# Altium PCB CMTestBoard.PcbDoc (part 1 of 2) (continued)
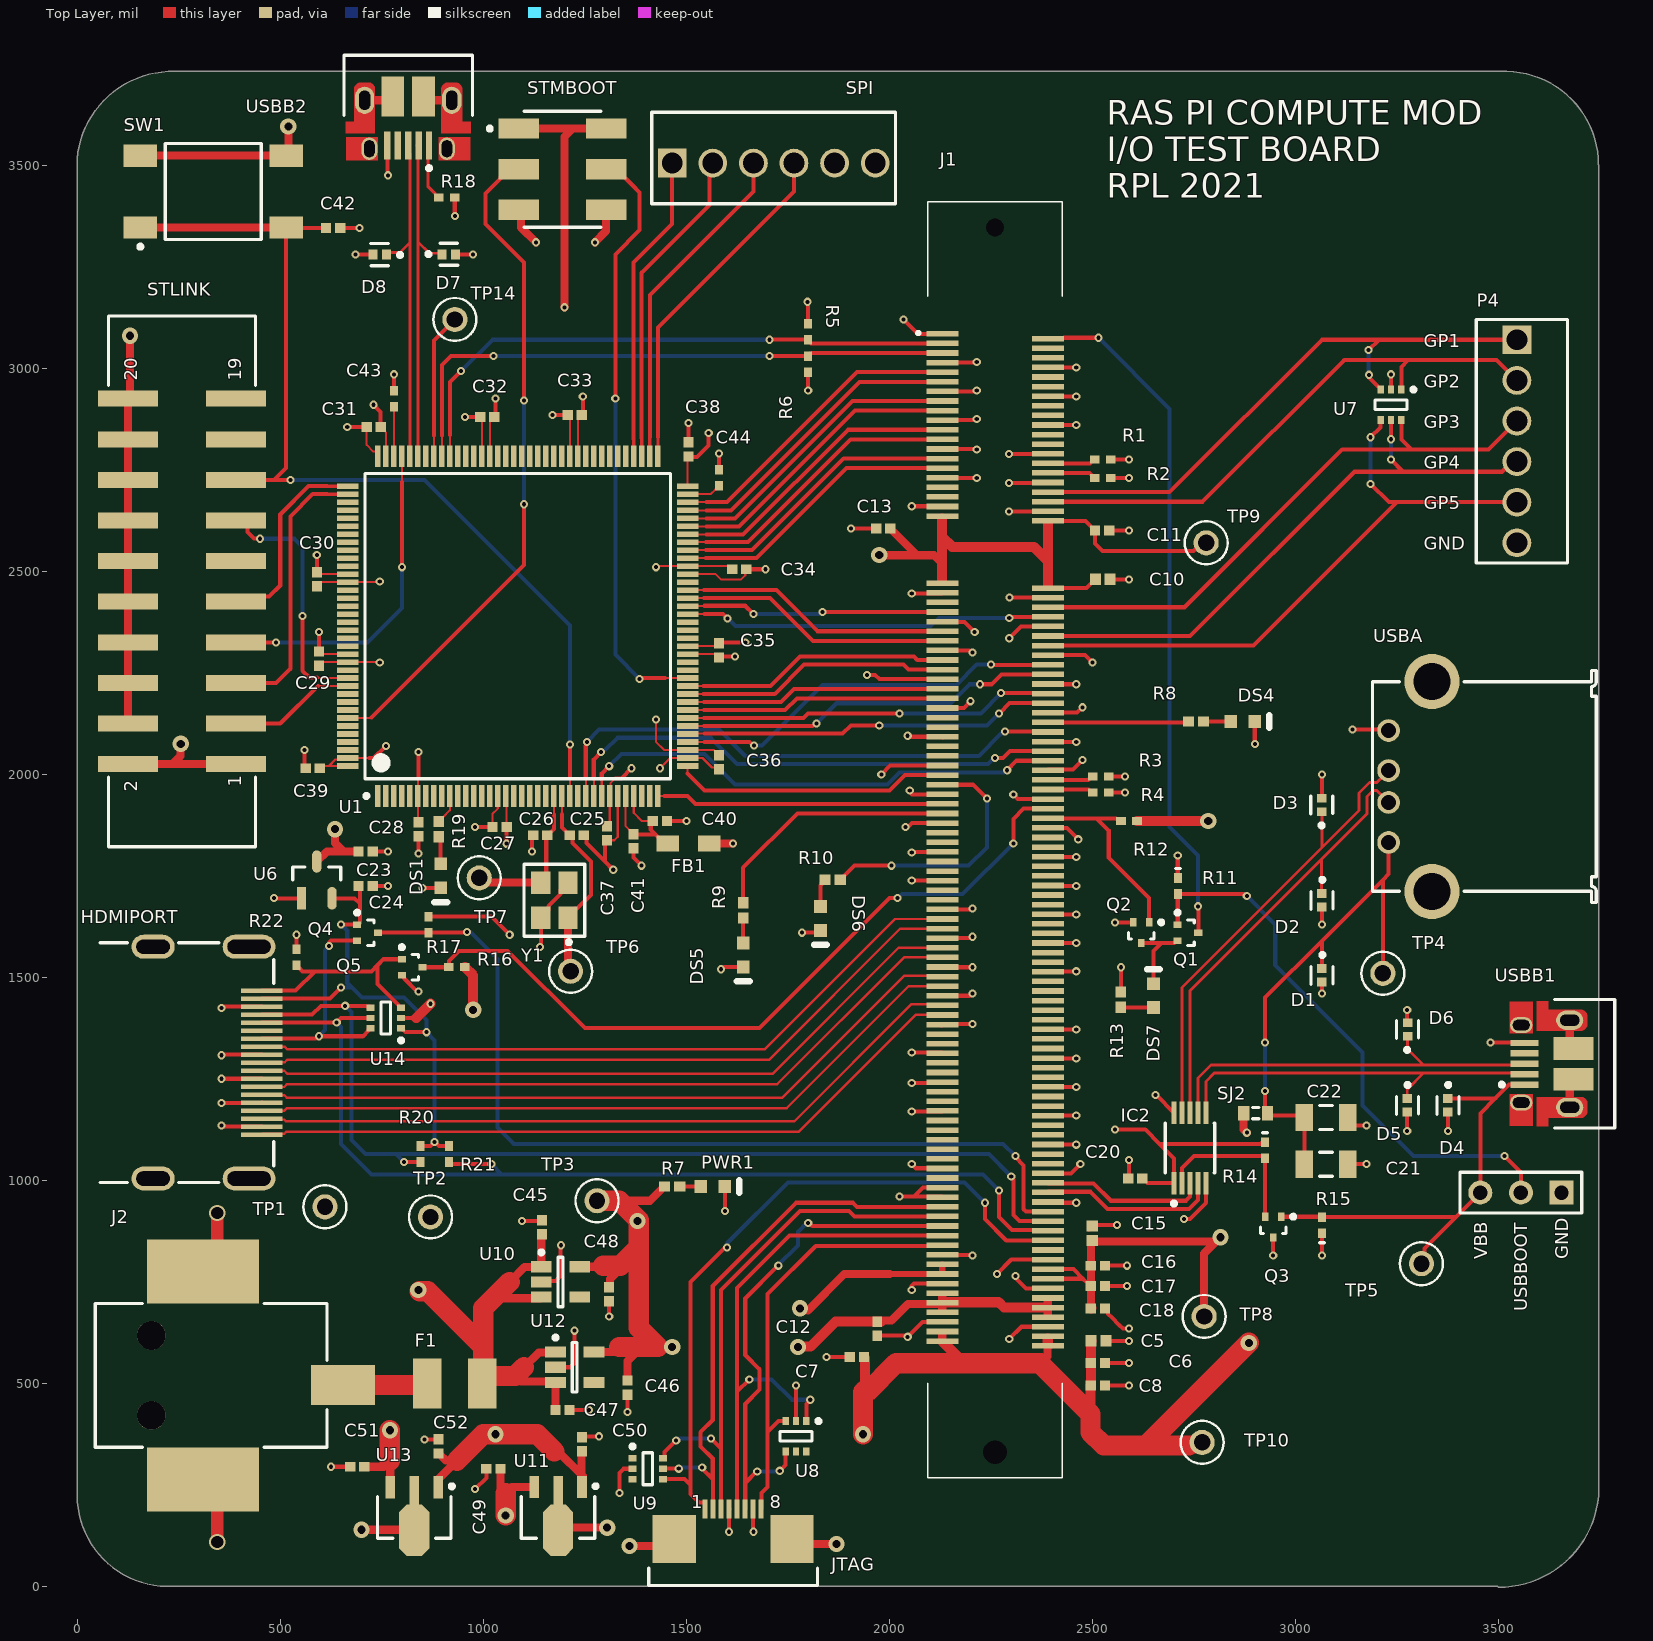
[diagram p0: Top Layer view]
## Part data (continued)
DS7: library part CMP-1744-00003-1, "0603 LIGHT EMITTING DIODES (LED) ROHS", Case Code (Imperial)=0603, Case Code (Metric)=1608, Max Operating Temperature="155 degC", Min Operating Temperature="-55 degC", Package Quantity=5000, Power Rating="100 mW", Resistance="390 Ohm", Tolerance=1%, Voltage Rating="50 V", Case\Package=0603, ComponentLink1Description="Manufacturer URL", ComponentLink1URL=http://www.avagotech.com/, ComponentLink2Description=Datasheet, ComponentLink2URL=http://docs.avagotech.com/docs/AV02-0551EN, ComponentLink3Description="Package Specification", ComponentLink3URL=http://www.fairchildsemi.com/dwg/MA/MA03D.pdf, DatasheetVersion=Mar-12, Height="0.45 mm", Length="1.6 mm", Mount="Surface Mount", PackageDescription="2-Pin Surface Mount Device, Body 1.6 x 0.8 mm, Height 0.9 mm", PackageReference=HSMX-C190, Packaging="Tape and Reel", Pins=2, REACH SVHC="No SVHC", RoHSCompliant=true, Voltage Rating (DC)="50 V", Width="0.8 mm"
F1: library part CMP-0257-00001-1, "Resettable PTC, 1812, 3 A Ihold, 5 A Itrip, 8V max", PartNumber=1812L150ZR, ComponentLink1Description="Manufacturer URL", ComponentLink1URL=http://www.littelfuse.com/, ComponentLink2Description=Datasheet, ComponentLink2URL=http://www.littelfuse.com/products/resettable-ptcs/surface-mount/1812l/~/media/Electronics_Technical/Datasheets/Resettable_PTCs/Littelfuse_PTC_1812L_Datasheet.pdf, DatasheetVersion=6/2012, Ihold="1.5 A", Imax="100 A", Itrip="3 A", PackageDescription="2-Pin SMT Fuse, 4.55 x 3.24 mm Body", PackageReference=FUSE1812-71, PackageVersion=6/2012, Vmax="8 Vdc"
FB1: library part CMP-0686-00665-2, "Chip Ferrite Bead for General Signal lines, 1000 Ohm, 500 mA, -55 to 125 degC, 2 x 1.25 x 1.05 mm SMD, Tape and Reel", DC Resistance="0.28 Ohm Max.", Manufacturer=Murata, Operating Temperature Range="-55 to 125 degC", Rated Current="500 mA", ComponentLink1Description="Manufacturer URL", ComponentLink1URL=http://www.murata.com/, ComponentLink2Description=Datasheet, ComponentLink2URL=http://www.murata.com/products/catalog/pdf/c31e.pdf, ComponentLink3Description="Package Specification", ComponentLink3URL=http://www.murata.com/products/catalog/pdf/c31e.pdf, DatasheetVersion=08/2013, Impedance (at 100 MHz)="1000 Ohm +/- 25%", Mounting Technology="Surface Mount", PackageDescription="2-Pin Chip, Body 2 x 1.25 mm", PackageReference=BLM21_H1050-2, Packing="Tape and Reel", PartNumber=BLM21AG102SN1D
HDMIPORT: library part CMP-1502-00169-1, "HDMI Type A Receptacle WR-HDMI, Horizontal, SMT", Contact Resistance=30mOhm, Manufacturer="Wurth Elektronik", Operating Temperature=-20to85degC, Rated Current=0.5A, Working Voltage=40VDC, Connector Type=HDMITypeA, Datasheet URL=https://katalog.we-online.de/em/datasheet/685119134923.pdf, Gender=Receptacle, Manufacturer URL=http://www.we-online.de, Mounting Technology=SMT, Orientation=Horizontal, Package Reference=685119134923, Packaging=TapeandReel, Part Number=685119134923, Publisher=WurthElektronik
IC2: library part CMP-07103-000004-1, "IC USB SWITCH DPDT 10MSOP", Case/Package=MSOP, Current=100mA, LCSC Part #=C11355, Max Operating Temperature=85°C, Max Supply Voltage=4.3V, Min Operating Temperature=-40°C, Min Supply Voltage=3V, On-State Resistance=6.5R, Package Quantity=1, Data Rate=480Mbps, Height=0.85mm, Lead Free="Lead Free", Length=3mm, Mount="Surface Mount", Number of Channels=2, Number of Inputs=2, Number of Outputs=4, Number of Pins=10, Operating Supply Voltage=4.3V, Packaging="Tape and Reel", Radiation Hardening=No, REACH SVHC="No SVHC", Supply Type=Single, Throw Configuration=DPDT, Voltage=4.3V, Weight=0.1125g, Width=3mm
J1: "200 Pin Connector", Manufacturer_Name="TE Connectivity", Mouser Part Number=571-2040910-1, Arrow Part Number=2040910-1, Arrow Price/Stock=https://www.arrow.com/en/products/2040910-1/te-connectivity, Datasheet Link=https://www.arrow.com/en/products/2040910-1/te-connectivity, Height=15mm, Manufacturer_Part_Number=2040910-1, Mouser Price/Stock=https://www.mouser.co.uk/ProductDetail/TE-Connectivity/2040910-1?qs=kAqyOuzYGe9tF8FZbDgYRA%3D%3D
J2: library part CMP-1502-00176-1, "DC Power Jack Connector with Pegs WR-DC, Male, Right Angled, SMT, 5 A, 24 V", Manufacturer="Wurth Elektronik", Operating Temperature=-40to85degC, Rated Current=5A, Working Voltage=24V, Datasheet URL=http://katalog.we-online.de/em/datasheet/6941xx105102.pdf, Gender=Male, Manufacturer URL=http://www.we-online.de, Mounting Technology=SMT, Opening Diameter=6.4mm, Orientation=RightAngled, Package Reference=694106105102, Packaging=TapeandReel, Part Number=694106105102, Plug Inner Diameter=2.05mm, Plug Outer Diameter=5.5mm, Publisher=WurthElektronik
JTAG: library part CMP-1502-01528-1, "SMT ZIF Connectors WR-FPC, Horizontal, Bottom Contact, pitch 0.5 mm, 8 pins", Contact Resistance=20mOhm, Manufacturer="Wurth Elektronik", Operating Temperature=-25to85degC, Rated Current=0.5A, Withstanding Voltage=250VAC, Working Voltage=50VAC, Contact Design=BottomContact, Datasheet URL=https://katalog.we-online.de/em/datasheet/68710814522.pdf, Manufacturer URL=http://www.we-online.de, Mounting Technology=SMT, Orientation=Horizontal, Package Reference=68710814522, Packaging=TapeandReel, Part Number=68710814522, Pin Number=8, Pitch=0.5mm, Publisher=WurthElektronik
P4 SPI: library part CMP-2000-05661-1, "Male Header, Pitch 2.54 mm, 1 x 6 Position, Height 10.03 mm, Tail Length 3.56 mm, -55 to 105 degC, Bulk", Color=White, Current, Rating="5 /  / A", Flammability Rating=UL94V-0, Manufacturer="TE Connectivity", Package Description="Male Header, Pitch 2.54 mm, 1 x 6 Position, Height 10.03 mm, Tail Length 3.56 mm", Temperature, Operating="-55to+105 /  / °C", Voltage, Rating="250 /  / V", Agency Approvals=CSA,UL, Angle=Straight, Brand/Series=MTA-100Series, Color, Housing=White, Connector Type=MTA-100, Contact Centerline Spacing="0.100 /  / in.", Contact Mating Area Plating=Tin, Contact Plating=Tin, Contact Shape=Square, Contact Termination Area Plating=Tin, Datasheet URL=https://datasheet.ciiva.com/25618/0900766b80eb7fdd-25618163.pdf, Datasheet Version="Rev. W, 05/2005", Length, Overall="0.6 /  / \"", Length, Pin="0.14 /  / \"", Length, Terminal Post="0.14 /  / in.", Manufacturer URL=http://www.te.com/, Material, Contact=CopperAlloy, Material, Housing=Polyester, Mount Angle=Vertical, Mounting Hole Size="0.04 /  / \"", Mounting Technology=ThroughHole, Mounting Type=PCMount, Number of Contacts=6, Number of Positions=6, Number of Rows=1, Package Reference=640456-6, Pin Spacing="0.1 /  / \"", Primary Type=InterconnectSystem, Size, Post="0.025 /  / in.", Special Features=Pinstrip, Standards=RoHSCompliant,ELVCompliant,UL94V-0, Termination=Solder, Type=PCBPlug
Q1 Q2 Q3 Q4 Q5: library part CMP-2000-07450-1, "N-Channel Enhancement Mode MOSFET, 20 V, 630 mA, -55 to 150 degC, 3-Pin SOT23, RoHS, Tape and Reel", Case\/Package=SOT-523, Continuous Drain Current (ID)=630mA, Drain to Source Breakdown Voltage=20V, Drain to Source Resistance=300mOhm, Gate to Source Voltage (Vgs)=6V, Input Capacitance=60.67pF, LCSC Part #=C20512, Manufacturer="Diodes Inc", Max Operating Temperature=150degC, Max Power Dissipation=280mW, Min Operating Temperature=-55degC, On-State Resistance=400MOhm, Package Description="3-Pin Small Outline Transistor, Body 1.6 x 0.8 mm, Pitch 0.5 mm", Package Quantity=3000, Package Reference=SOT523-3, Threshold Voltage=1V, Contact Plating=Matte, Datasheet URL=https://www.diodes.com/assets/Datasheets/ds31783.pdf, Datasheet Version="Rev. 3-2, 01/2012", Drain to Source Voltage (Vdss)=20V, Element Configuration=Single, Fall Time=12.3ns, Height=0.8mm, Lead Free=LeadFree, Length=1.7mm, Manufacturer URL=http://www.diodes.com/, Mount=SurfaceMount, Mounting Technology=SurfaceMount, Number of Channels=1, Number of Elements=1, Number of Pins=3, Packaging=TapeandReel, Power Dissipation=280mW, Radiation Hardening=No, Rds On Max=400mOhm, REACH SVHC=NoSVHC, Rise Time=7.4ns, RoHSCompliant=true, Turn-Off Delay Time=26.7ns, Turn-On Delay Time=5.1ns, Weight=7.1E-05oz, Width=0.85mm
R1: library part Res1, "100k 0402", Case Code (Imperial)=0402, LatestRevisionDate=17-Jul-2002, LatestRevisionNote="Re-released for DXP Platform.", PackageDescription="Axial Device, Thru-Hole; 2 Leads; 0.3 in Pin Spacing", PackageReference=AXIAL-0.3, Published=8-Jun-2000, Publisher="Altium Limited"
R2 R3 R4 R12 R18 R22: library part Res1, "100k 0402", LatestRevisionDate=17-Jul-2002, LatestRevisionNote="Re-released for DXP Platform.", PackageDescription="Axial Device, Thru-Hole; 2 Leads; 0.3 in Pin Spacing", PackageReference=AXIAL-0.3, Published=8-Jun-2000, Publisher="Altium Limited"
R5 R6 R20 R21: library part Res1, "1.8k 0402", LatestRevisionDate=17-Jul-2002, LatestRevisionNote="Re-released for DXP Platform.", PackageDescription="Axial Device, Thru-Hole; 2 Leads; 0.3 in Pin Spacing", PackageReference=AXIAL-0.3, Published=8-Jun-2000, Publisher="Altium Limited"
R7 R8 R9 R10 R13 R19: library part CMP-2002-07344-1, "75R 0402", Manufacturer="Yageo / Phycomp", Part Number=RC0402FR-07100RL
  R13: spec=75R
R11 R14 R15: library part Res1, "47k 0402", LCSC Part #=C25792, LatestRevisionDate=17-Jul-2002, LatestRevisionNote="Re-released for DXP Platform.", PackageDescription="Axial Device, Thru-Hole; 2 Leads; 0.3 in Pin Spacing", PackageReference=AXIAL-0.3, Published=8-Jun-2000, Publisher="Altium Limited"
R16 R17: library part Res1, "1k 0402", LatestRevisionDate=17-Jul-2002, LatestRevisionNote="Re-released for DXP Platform.", PackageDescription="Axial Device, Thru-Hole; 2 Leads; 0.3 in Pin Spacing", PackageReference=AXIAL-0.3, Published=8-Jun-2000, Publisher="Altium Limited"
SJ2: library part Res1, "Resistor", LCSC Part #=C21189, LatestRevisionDate=17-Jul-2002, LatestRevisionNote="Re-released for DXP Platform.", PackageDescription="Axial Device, Thru-Hole; 2 Leads; 0.3 in Pin Spacing", PackageReference=AXIAL-0.3, Published=8-Jun-2000, Publisher="Altium Limited"
STLINK: library part CMP-1502-00063-1, "Male Box Header WR-BHD, SMT, Vertical, pitch 2.54 mm, 20 pins", Contact Resistance=20mOhm, Manufacturer="Wurth Elektronik", Operating Temperature=-40to125degC, Withstanding Voltage=500VAC, Working Voltage=250VAC, Datasheet URL=https://katalog.we-online.de/em/datasheet/6123xx20621.pdf, Gender=Male, Manufacturer URL=http://www.we-online.de, Mounting Technology=SMT, Orientation=Vertical, Package Reference=61232020621, Packaging=TapeandReel, Part Number=61232020621, Pin Number=20, Pitch=2.54mm, Published Date=August2018, Publisher=WurthElektronik
STMBOOT: library part CMP-1743-00002-1, "Male Header, Pitch 2.54 mm, 2 x 3 Position, Height 14.4 mm, RoHS, Tape and Reel", Case Code (Imperial)=0603, Case Code (Metric)=1608, Max Operating Temperature="155 degC", Min Operating Temperature="-55 degC", Power Rating="100 mW", Resistance="49.9 Ohm", Tolerance=1%, Voltage Rating="50 V", Case\Package=0603, ComponentLink1Description=Datasheet, ComponentLink1URL=http://portal.fciconnect.com/Comergent//fci/drawing/95278.pdf, DatasheetVersion="Rev. AC, 03/2016", Height="0.45 mm", Length="1.6 mm", Mount="Surface Mount", PackageDescription="Male Header, Pitch 2.54 mm, 2 x 3 Position, Height 14.4 mm", PackageReference=95278-101A06LF, Packaging="Tape and Reel", REACH SVHC="No SVHC", RoHSCompliant=true, Width="0.8 mm"
SW1: library part CMP-2000-05602-1, "Tactile Switch, 50 mA, 12 VDC, -20 to 85 degC, 4-Pin SMD, RoHS, Bulk", Actuator Color=N/A, Contact Rating @ Voltage=0.05@12VDCA, Dielectric Strength=500VAC, Manufacturer=TEConnectivity/AMPBrand, Maximum Contact Resistance=100mOhm, Maximum DC Voltage Rating=12V, Minimum Insulation Resistance=100MOhm, Operating Force=1.57N, Operating Temperature=-20to85C, Package Description="4-Pin Surface Mount Device, Body 6 x 6 mm, Pitch 9.1 mm", Actuator Length=1.4mm, Actuator Style=RoundButton, Base Material=N/A, Body Orientation=Straight, Contact Material=CopperAlloy, Contact Plating=Silver, Datasheet URL=https://datasheet.ciiva.com/14635/0900766b80912216-14635826.pdf, Datasheet Version=04/2007, Dimension=6x10x5.25mm, Electrical Life=100000Cycle, Family=FSMJSMA, Ground Terminal=No, Housing Material=N/A, Illumination Type=N/R, Manufacturer URL=http://www.te.com/, Maximum AC Voltage Rating=N/A, Mechanical Life=N/A, Mounting=SurfaceMount,GullWing, Mounting Technology=SurfaceMount, Package Reference=4-1437565-1, Packaging=Bulk, Part No=4-1437565-1, Pole Throw Configuration=N/A, Product Weight=N/A, RoHS=Yes, Seal Description=N/A, Seal Location=N/A, Switch Configuration=N/A, Type=N/A
TP1 TP2 TP3 TP4 TP5 TP6 TP7 TP8 TP9 TP10 TP14: library part CMP-2000-05575-2, "PC TEST POINT MINIATURE YELLOW", Manufacturer=Keystone, Automotive=No, Category=Conn, ComponentLink2Description=Datasheet, ComponentLink2URL=https://www.keyelco.com/product-pdf.cfm?p=1313, Contact Material=Silver, Device Class L1=Connectors, Device Class L2=unset, Device Class L3=unset, Digikey Description="PC TEST POINT MINIATURE YELLOW", Height=4.72mm, Is Female=yes, Lead Free=Yes, Manufacturer Part Number=5004, Mouser Description="TEST POINT PC MINI .040\"D YELLOW", Number of Contacts=1, Octopart=https://octopart.com/5004-keystone-28591, Package=5004, RoHS=TRUE
U1: library part CMP-0243-00054-2, "ARM Cortex-M4 32-bit MCU+FPU, 210 DMIPS, 1024 kB Flash, 256 kB Internal RAM, 114 I/Os, 144-pin LQFP, -40 to 85 degC, Tray", I/Os (High Current)=114, Manufacturer=STMicroelectronics, Operating Frequency(F) (Processor speed) (MHz)=168, Supply Voltage(Vcc) max (V)=3.6, Supply Voltage(Vcc) min (V)=1.8, ComponentLink1Description="Manufacturer URL", ComponentLink1URL=http://www.st.com/web/en/home.html, ComponentLink2Description=Datasheet, ComponentLink2URL=http://www.st.com/st-web-ui/static/active/en/resource/technical/document/datasheet/DM00071990.pdf, ComponentLink3Description="Package Specification", ComponentLink3URL=http://www.st.com/st-web-ui/static/active/en/resource/technical/document/datasheet/DM00037051.pdf, Core="ARM Cortex-M4", D/A Converter=2x12-bit, DatasheetVersion="Rev. 1", FLASH Size (Prog) (kB)=1024, Internal RAM Size (kB)=256, Mounting Technology="Surface Mount", PackageDescription="144-Pin Low Profile Quad Flat Package, 20 x 20 mm Body, 0.5 mm Pitch", PackageReference=LQFP144, PackageVersion="Rev. 4, 06/2013", Packing=Tray, PartNumber=STM32F427ZGT6
U6: library part CMP-12752-000002-1, "LOAD SWITCH SC59", Case/Package=TO-236-3, Current=200mA, Max Operating Temperature=85°C, Max Supply Voltage=5.2V, Min Operating Temperature=-40°C, Min Supply Voltage=2.7V, On-State Resistance=350mR, Package Quantity=3000, Fault Protection="Over Temperature", Height=1.3mm, Interface=On/Off, Length=3.1mm, Max Output Current=200mA, Mount="Surface Mount", Number of Outputs=1, Number of Pins=59, Output Configuration="High Side", Output Current=200mA, Packaging="Tape and Reel", Radiation Hardening=No, REACH SVHC="No SVHC", Turn-On Delay Time=700us, Voltage=5.2V, Width=1.7mm
U7 U8 U9 U14: library part CMP-1061-00155-1, "5-Line Transient Voltage Suppressor Array, 6-Pin SC70, Pb-Free, Tape and Reel", Manufacturer="On Semiconductor", ComponentLink1Description="Manufacturer URL", ComponentLink1URL=http://www.onsemi.com/, ComponentLink2Description=Datasheet, ComponentLink2URL=http://www.onsemi.com/pub_link/Collateral/SMF05C-D.PDF, ComponentLink3Description="Package Specification", ComponentLink3URL=http://www.onsemi.com/pub_link/Collateral/SMF05C-D.PDF, DatasheetVersion="Rev. 4", Direction=Unidirectional, IR Max (uA)=5, Mounting Technology="Surface Mount", PackageDescription="6-Pin Small Outline Transistor, Body 2 x 1.25 mm, Pitch 0.65 mm", PackageReference=SC70-6-419B-02_W, PackageVersion="Rev. W", Packing="Tape and Reel", PartNumber=SMF05CT1G, PPK Max (W)=100, RoHS=Pb-Free
U10 U12: library part CMP-0599-00001-2, "1A LDO Voltage Regulator with CL discharge, 3.3 V, 1000 mA, -45 to 85 degC, 5-Pin SOT-25, RoHS, Reel", Manufacturer=Torex, Maximum Output Current="1000 mA", Operating Ambient Temperature="-40 to 85 degC", Output Voltage="3.3 V", ComponentLink1Description="Manufacturer URL", ComponentLink1URL=http://www.torex.co.jp/, ComponentLink2Description=Datasheet, ComponentLink2URL=http://www.torex.co.jp/english/products/voltage_regulators/data/XC6220.pdf, DatasheetVersion=ETR0341-010a, Mounting Technology="Surface Mount", PackageDescription="5-Pin Small Out-Line Transistor, Body 2.9 x 1.65 mm, Pitch 0.95 mm", PackageReference=SOT-25-5, Packing=Reel, PartNumber=XC6220B331MR-G, RoHS=TRUE
U11 U13: library part CMP-0244-00406-1, "Positive Voltage Regulator, 5V, 4-Pin SOT-89, Tape and Reel", ComponentLink1Description="Manufacturer URL", ComponentLink1URL=http://www.st.com, ComponentLink2Description=Datasheet, ComponentLink2URL=http://www.st.com/internet/com/TECHNICAL_RESOURCES/TECHNICAL_LITERATURE/DATASHEET/CD00000446.pdf, DatasheetVersion=1/02/2011, PackageDescription="3-Pin SOT-89 Package 1.5 mm Pitch, 4.1 mm Lead Span", PackageReference=SOT-89, PackageVersion=2011
USBA: library part CMP-1502-03227-1, "USB 2.0 Type A Receptacle WR-COM, Horizontal, THT", Contact Resistance=20mOhm, Manufacturer="Wurth Elektronik", Operating Temperature=-40to105degC, Rated Current=1.5A, Working Voltage=30VAC, Connector Type=USB2.0TypeA, Datasheet URL=https://katalog.we-online.de/em/datasheet/61400416021.pdf, Gender=Receptacle, Manufacturer URL=http://www.we-online.de, Mounting Technology=THT, Orientation=Horizontal, Package Reference=61400416021, Packaging=Tray, Part Number=61400416021, Publisher=WurthElektronik
USBB1 USBB2: library part CMP-1698-00007-1, "Micro USB 2.0 B Receptacle, -55 to 85 degC, 5-Pin SMD, RoHS, Tape and Reel", Case Code (Imperial)=0603, Case Code (Metric)=1608, Max Operating Temperature="155 degC", Min Operating Temperature="-55 degC", Package Quantity=5000, Power Rating="100 mW", Resistance="4.7 kohm", Tolerance=1%, Type (Resistor)="Thick Film", Voltage Rating="75 V", Case\Package=0603, ComponentLink1Description="Manufacturer URL", ComponentLink1URL=http://portal.fciconnect.com/, ComponentLink2Description=Datasheet, ComponentLink2URL=http://portal.fciconnect.com/Comergent//fci/drawing/10103594.pdf, DatasheetVersion="Rev. A, 06/2010", Height="0.45 mm", Length="1.55 mm", Mount="Surface Mount", PackageDescription="5-Pin Surface Mount Device, Body 8.04 x 5.62 mm", PackageReference=FCI-10103594-0001LF, Packaging="Tape and Reel", Pins=2, REACH SVHC=Unknown, RoHSCompliant=true, Weight="7.1E-05 oz", Width="0.85 mm"
USBBOOT: "Header, 3-Pin", LatestRevisionDate=17-Jul-2002, LatestRevisionNote="Re-released for DXP Platform.", Publisher="Altium Limited"
Y1: library part CMP-18717-000014-1, "CRYSTAL 32.0000MHZ 12PF SMD", Case/Package=SMD/SMT, ESR (Equivalent Series Resistance)=60R, Frequency=32MHz, Frequency Stability=30ppm, Load Capacitance=12pF, Max Operating Temperature=85°C, Min Operating Temperature=-40°C, Package Quantity=1, Frequency Tolerance=30ppm, Height=0.031inch, Lead Free="Lead Free", Length=0.126inch, Mount="Surface Mount", Packaging="Tape and Reel", Width=0.098inch

## Via types
v1: diameter 20, hole 10, Top Layer to Bottom Layer, 245 vias
v2: diameter 40, hole 20, Top Layer to Bottom Layer, 22 vias
v3: diameter 40, hole 30, Top Layer to Bottom Layer, 2 vias

## Nets (pads, with @x,y where several pads share a name; then routed paths per layer and width w, separated by ;. In a path a pad name is that pad's centre, name@x,y a point inside that pad or via, vN(x,y) a via of type N, cw(c..) or ccw(c..) an arc to the next point about the centre after c; other vN are vias at no path point)
1.8V: C15.2 C16.1 C17.1 C18.1 C50.1 C52.1 J1.183 J1.184 J1.185 J1.186 R12.2 R16.1 TP2.1 TP8.1 U11.1 U13.1 | length 6361.7
  Top Layer w10: J1.185@2390,757.83 2477.17,757.83 ; J1.183@2390,781.46 2453.54,781.46 2477.17,757.83 ; C17.1@2496.1,740 2488.9,747.2 2487.8,747.2 2477.17,757.83
  Top Layer w15: 2000.67,769.65 J1.186@2130.16,769.65 J1.184@2130.16,793.27
  Top Layer w20: U13.1@889.06,244.8 890.87,246.61 890.87,265.87 935,310 907.68,310 892.8,324.88 892.2,324.88 890,327.09 C52.1@890,327.68 ; 1175,332.64 1184.32,332.64 1244.92,272.04 1244.92,246.81 U11.1@1243.11,245 ; 1242.1,277.9 1242.1,331.97 C50.1@1242.83,332.71 ; v2@1799.14,680 1888.79,769.65 2000.67,769.65 ; C18.1@2496.1,685 C17.1@2496.1,740 C16.1@2496.1,790 2496.1,848.31 2499.69,851.89 C15.2@2500,851.89 2501.89,850 v2@2799.59,850 ; TP8.1@2775,665 2775,820 v2(2815,860)
  Top Layer w25: R16.1@955,1525 975,1505 v2(975,1420) ; C18.1@2496.1,685 C18.1@2496.89,685.79 ; R12.2@2609.69,1885 v2(2785,1885)
  Top Layer w50: 935,310 1000,375 v2(1030,375) 1132.64,375 1175,332.64
  Layer 2 w50: TP2.1@870,910 872.26,912.26 917.26,912.26 975,970 ; v2(975,1420) 975,970 ; v2(1030,375) 975,430 975,680 ; v2(2785,1885) 2815,1855 v2(2815,860) 2815,855 2645,685 v2(1780,685) 1750,685 1705,730 1025,730 975,680 ; 975,680 975,970
3.3V: C10.2 C11.1 C12.1 C13.1 C20.1 C27.1 C28.1 C29.1 C30.1 C31.1 C32.1 C33.1 C34.1 C35.1 C36.1 C37.1 C38.1 C39.1 C46.1 C48.1 FB1.1 IC2.1 J1.39 J1.40 J1.41 J1.42 J1.189 J1.190 J1.191 J1.192 J1.193 J1.194 R5.1 R6.1 R7.1 R13.2 R14.1 R17.2 STLINK.1 STLINK.2 STMBOOT.1 STMBOOT.2 TP3.1 TP9.1 U1.6 U1.17 U1.30 U1.39 U1.52 U1.62 U1.72 U1.84 U1.95 U1.108 U1.121 U1.131 U1.143 U1.144 U10.5 U12.5 | length 8140.8
  Top Layer w5: C30.1@590,2462.68 590,2463.27 599.7,2472.97 666.4,2472.97 U1.121@666.69,2473.27 738.27,2473.27 v1@740,2475 ; C39.1@597.32,2015 602.83,2020.51 620,2020.51 ; C29.1@600,2276.42 U1.131@666.69,2276.42 743.58,2276.42 v1(745,2275) ; U1.144@666.69,2020.51 620,2020.51 ; C31.1@712.68,2855 712.68,2811.14 729.05,2794.77 736.12,2794.77 740.51,2790.38 U1.108@740.51,2783.31 ; 720,2040 719.8,2040.2 U1.143@666.69,2040.2 663.16,2036.67 636.15,2036.67 620,2020.51 ; C28.1@840,1882.32 838.94,1883.39 U1.6@838.94,1946.69 838.94,1993.94 840,1995 ; C32.1@992.68,2880 996.42,2876.26 U1.95@996.42,2783.31 ; U1.17@1055.47,1946.69 1057.32,1944.84 C27.1@1057.32,1870 ; C33.1@1207.68,2885 1212.95,2879.72 U1.84@1212.95,2783.31 ; C37.1@1305,1872.32 1311.38,1878.7 U1.30@1311.38,1946.69 1312.84,1948.15 1312.84,1977.84 1325,1990 ; v1(1425,2135) 1425,2080 1445.12,2059.88 U1.39@1503.31,2059.88 1567.37,2059.88 1569.63,2057.62 1570.3,2057.62 1580,2047.91 C36.1@1580,2047.32 ; v1(1425,2510) 1427.64,2512.64 U1.62@1503.31,2512.64 1605.04,2512.64 C34.1@1612.68,2505 ; U1.52@1503.31,2315.79 1573.46,2315.79 C35.1@1580,2322.32 ; U1.72@1503.31,2709.49 C38.1@1503.31,2780.98
  Top Layer w10: v1(665,2855) C31.1@712.68,2855 ; 720,2040 730,2040 v1(760,2070) ; 840,1995 v1(840,2055) ; R17.2@865,1649.69 1020.31,1649.69 v1(1065,1605) ; v1(955,2880) C32.1@992.68,2880 ; v1(1057.21,1829.13) 1057.32,1829.25 C27.1@1057.32,1870 ; v1(1170,2885) C33.1@1207.68,2885 ; 1325,1990 1340,1990 v1(1365,2015) ; R7.1@1438.5,978.19 1438.5,980.16 1443.35,985 R7.1@1445.32,985 ; C38.1@1503.31,2780.98 1503.67,2781.35 1526.35,2781.35 1555,2810 v1(1555,2840) ; C35.1@1580,2322.32 1582.68,2325 v1(1645,2325) ; v1(1798.75,3163.54) 1800,3162.29 R5.1@1800,3109.69 ; v1(1800,2945) R6.1@1800,2990.32 ; J1.41@2129.37,2476.2 2129.37,2472.32 2130.16,2471.54 J1.41@2130.16,2470.43 ; J1.42@2390,2458.62 2485.71,2458.62 2497.91,2470.83 2498.5,2470.83 2507.09,2479.41 C10.2@2507.09,2480 ; J1.40@2390,2623.98 2482.32,2623.98 2498.5,2607.8 2498.5,2607.2 2505.71,2600 C11.1@2506.3,2600 2506.3,2568.7 2525,2550 2748.24,2550 2768.24,2570 TP9.1@2780,2570 ; v1(2555,1125) 2630,1125 2665,1090 ; R13.2@2570,1463.7 v1(2570,1525) ; C20.1@2623.62,1005.16 2635.39,993.39 IC2.1@2700.63,993.39 2700.63,1054.37 2665,1090 ; R14.1@2925,1097.72 2920.16,1092.87 2917.17,1092.87 2914.3,1090 2665,1090
  Top Layer w20: STLINK.2@132.97,2032.97 STLINK.2@125,2025 235,2025 ; v2(255,2075) 254.64,2074.64 254.64,2044.64 235,2025 ; STLINK.1@390.75,2025 235,2025 ; STMBOOT.1@1087.52,3590 1220,3590 ; v1(1200,3150) 1200,3570 1220,3590 ; 1264.82,787.4 1292.4,787.4 1295,790 ; U12.5@1272.24,577.4 1322.4,577.4 1335,590 ; STMBOOT.2@1302.48,3590 1220,3590 ; C48.1@1310,737.32 1312.2,739.53 1312.2,757.2 1337.56,782.56 1337.56,790 ; 1335,950 1410.31,950 R7.1@1438.5,978.19 ; C46.1@1355,507.32 1355,555 1390,590 ; FB1.1@1556.18,1830 v1(1615,1830) ; v2(1975,2540) 1975.68,2539.32 2068.01,2539.32 ; C12.1@1980,652.67 1982.2,654.87 2004.87,654.87 2045.67,695.67 J1.192@2127.05,695.67 ; C13.1@2002.32,2605 2002.91,2605 2005.12,2602.8 2005.12,2602.21 2068.01,2539.32 ; 2129.37,2520 2110.05,2539.32 2068.01,2539.32 ; J1.194@2130.16,680.58 J1.192@2130.16,698.78 J1.190@2130.16,718.26 ; J1.193@2390,670 J1.191@2390,686.97 J1.189@2390,705.65
  Top Layer w25: v2(1775,590) 1775.66,590.66 1805.66,590.66 1867.67,652.67 C12.1@1980,652.67 ; J1.41@2129.37,2476.2 2129.37,2520 2129.37,2585 ; J1.39@2129.37,2630.18 2129.37,2585 ; J1.192@2130.16,698.78 2131.38,700 2268.94,700 2281.97,686.97 J1.191@2390,686.97 ; J1.42@2390.72,2464.57 2390.72,2525 ; J1.40@2390.72,2618.7 2390.72,2525 ; 2129.37,2585 2154.37,2560 2355.72,2560 2390.72,2525
  Top Layer w50: TP3.1@1280,950 1335,950 1382.56,902.44 1382.56,835 ; 1295,790 1337.56,790 1382.56,835 ; 1335,590 1390,590 1430,590 1382.56,637.44 1382.56,835
  Layer 2 w50: v2(1465,590) v2(1775,590)
  Layer 2 w80: v2(255,2075) 340,2160 685,2160
  other v1: 745,2475
  other v2: 1380,900
5V: C5.2 C6.1 C7.1 C8.1 C23.1 C45.1 C47.1 C49.1 C51.1 F1.2 J1.197 J1.198 J1.199 J1.200 SJ2.2 TP1.1 TP10.1 U6.3 U10.1 U10.3 U11.3 U12.1 U12.3 U13.3 | length 7402.8
  Top Layer w20: U6.3@590,1785.3 614.7,1810 655.46,1810 ; v2(635,1865) 635,1830.46 655.46,1810 ; C23.1@690,1810 655.46,1810 ; C51.1@707.32,295 755,295 770,310 770.94,309.06 U13.3@770.94,244.8 ; 1025,710 1140.16,710 U10.3@1142.76,712.6 ; C49.1@1042.32,290 1042.32,242.68 1055,230 1070,245 U11.3@1125,245 ; 1065,750 1101.68,786.68 1142.03,786.68 U10.1@1142.76,787.4 1142.76,864.84 1145,867.09 C45.1@1145,867.68 ; 1078.66,518.66 1092.33,505 1175.35,505 U12.3@1177.76,502.6 1177.76,435.08 C47.1@1177.68,435 ; 1100,540 1136.68,576.68 1177.03,576.68 U12.1@1177.76,577.4 ; J1.200@2130.16,604.29 J1.198@2130.16,624.58 ; 2373.31,550 2389.42,566.11 2389.42,591.9 J1.199@2390,592.48 ; SJ2.2@2872.28,1165.58 2872.28,1125.22 v1(2879.98,1117.52)
  Top Layer w25: v2(840,730) v2@842.87,727.13 ; C7.1@1937.32,565 1940,562.32 1940,484.02 ; J1.200@2130.16,604.29 2184.45,550 ; J1.199@2390,592.48 J1.197@2390,610 ; 2495,425 2495,486.16 2495.81,486.96 2495.81,494.7 C8.1@2496.1,495 C6.1@2496.1,550 2496.1,604.21 C5.2@2496.89,605 ; 2736.95,347.5 2737.41,347.96 2762.96,347.96 TP10.1@2770,355 ; v2@2884.72,600 v2(2885,600)
  Top Layer w50: 770,310 v2(770,385) ; v2@842.87,727.13 862.87,727.13 1000,590 ; F1.2@997.91,500 997.91,508.62 1007.95,518.66 1078.66,518.66 1100,540 ; F1.2@1000,536.8 1000,590 ; v2(1055,175) 1055,230 ; 1065,750 1000,685 1000,590 ; v2(1935,375) 1935,479.02 1940,484.02 ; 1945,479.02 2015.98,550 2184.45,550 2370,550 ; 2369.85,550.15 2370,550 ; 2373.31,550 2370,550 ; 2736.95,347.5 2632.22,347.5 ; v2@2884.72,600 2632.22,347.5 ; 2370,550 2495,425 2495,380 2527.5,347.5 2632.22,347.5
  Layer 2 w25: v1(2879.98,1117.52) v1@2885,1112.5
  Layer 2 w40: v2(2885,600) v1@2885,1112.5
  Layer 2 w50: 725,815 725,655 770,610 v2(770,385) 770,330 920,180 1170,180 1400,410 1625,410 1660,375 v2(1935,375)
  Layer 2 w80: TP1.1@610,935 725,820 740,820 ; v2(635,1865) 635,1740 740,1635 740,820 ; v2(840,730) 830,730 740,820
ADC_EN: J1.47 U1.57 | length 637.7
  Top Layer w5: U1.57@1503.31,2414.21 1504.09,2415 1545,2415
  Top Layer w10: 1545,2415 1645,2415 v1(1665,2395) ; v1(1835,2400) 1835.43,2399.57 J1.47@2130.16,2399.57
  Bottom Layer w10: v1(1665,2395) 1827.29,2395 1832.29,2400 v1(1835,2400)
BOOT0: STMBOOT.3 U1.138 | length 1677.4
  Top Layer w5: U1.138@666.69,2138.62 723.62,2138.62
  Top Layer w8: 723.62,2138.62 725,2140
  Top Layer w10: 725,2140 1100,2515 v1(1100,2665) ; v1(1100,2920) 1100,3260 1005,3355 1005,3430 1042.52,3467.52 1042.52,3470 1062.52,3490 STMBOOT.3@1112.52,3490
  Bottom Layer w10: v1(1100,2665) v1(1100,2920)